# Altium PCB 8-8控制板.PcbDoc (part 5 of 5)
Units mm, origin at the board's own origin, x right, y up, seen from the top; angles counter-clockwise.
Board outline 201.71 x 160.33 mm, 2 copper layers (Top Layer, Bottom Layer); 240 components, 178 nets, 689 pads, 262 vias.
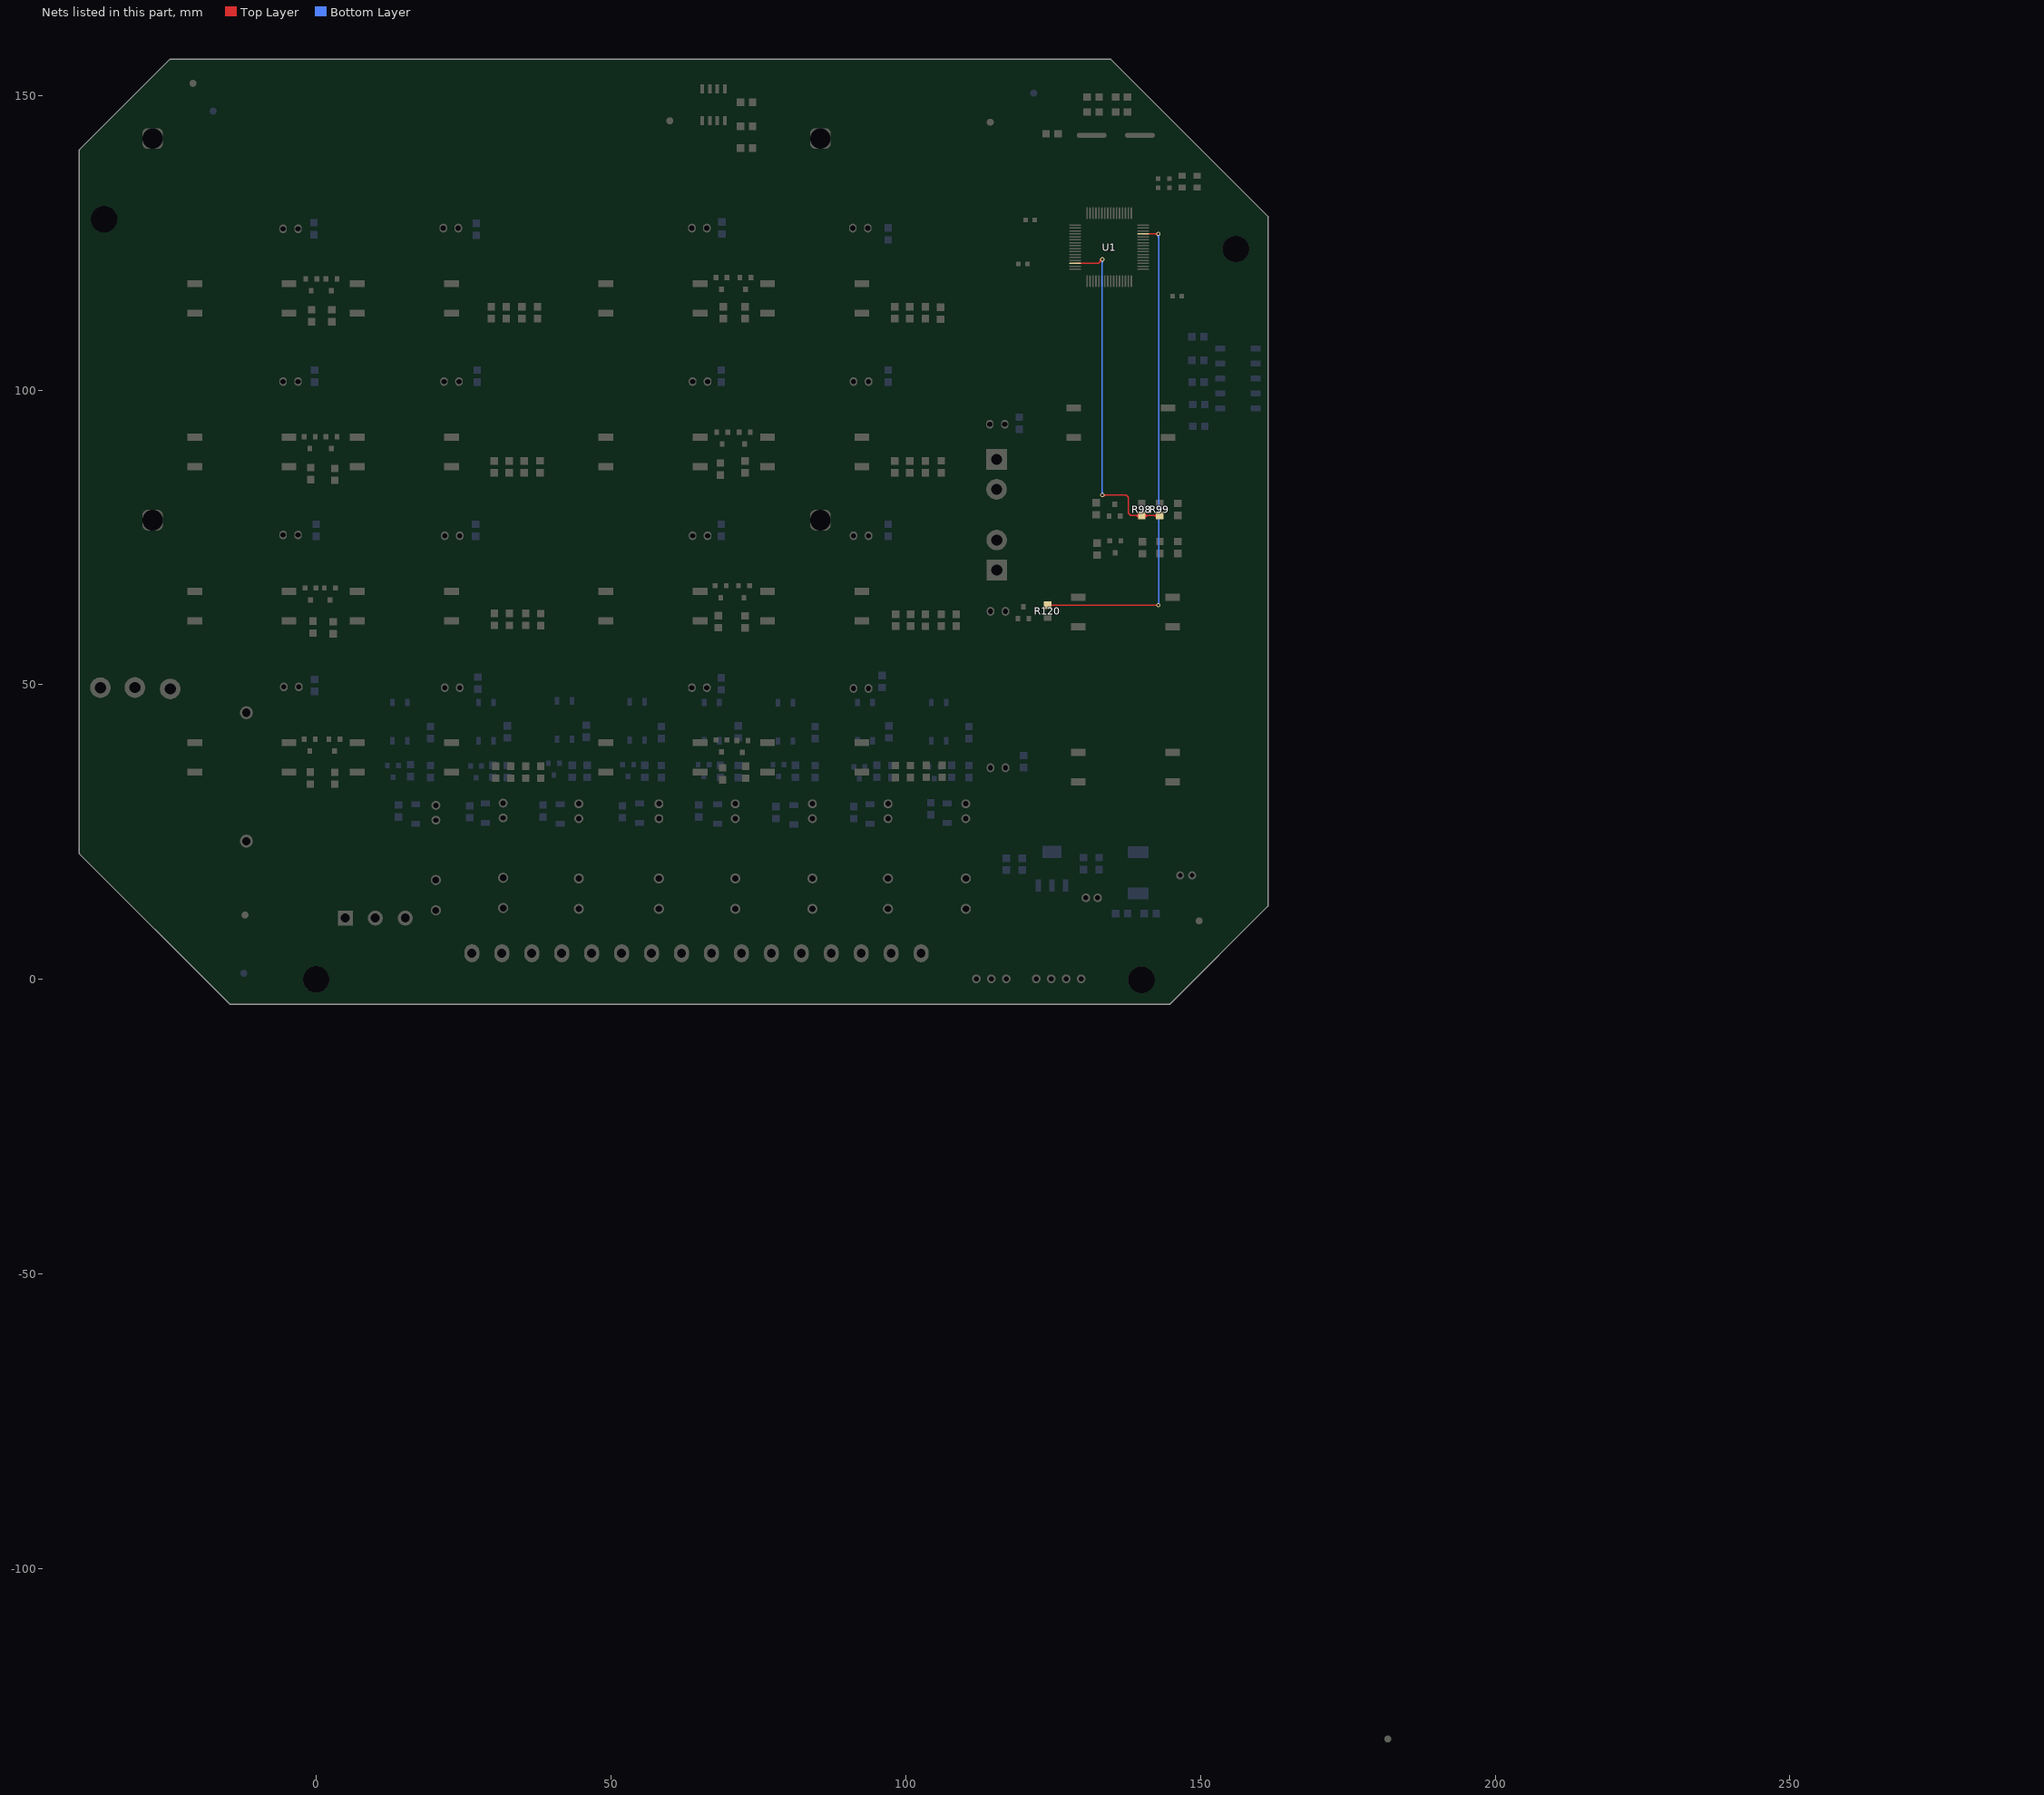
[diagram p5: the nets of this part, all layers, seen from the top]

## Via types
v1: diameter 0.7, hole 0.4, Top Layer to Bottom Layer, 242 vias
v2: diameter 0.7, hole 0.5, Top Layer to Bottom Layer, 18 vias
v3: diameter 1, hole 0.4, Top Layer to Bottom Layer, 2 vias

## Nets (pads, with @x,y where several pads share a name; then routed paths per layer and width w, separated by ;. In a path a pad name is that pad's centre, name@x,y a point inside that pad or via, vN(x,y) a via of type N, cw(c..) or ccw(c..) an arc to the next point about the centre after c; other vN are vias at no path point) (continued)
NetR98_2: R98.2 R99.2 U1.30 | length 71.2
  Top Layer w0.203: U1.30@128.753,121.498 132.674,121.498 v1(133.35,122.174) ; v1@133.102,122.174 cw(c132.502,122.174) 132.926,121.75 cw(c133.35,121.326) v1@133.35,121.926 ; v1(133.35,82.169) 137.414,82.169 137.795,81.788 137.795,79.121 138.201,78.715 R98.2@140.056,78.715 R99.2@143.104,78.715 ; v1@133.526,81.993 cw(c133.95,81.569) 133.95,82.169 cw(c133.95,82.769) v1@133.526,82.345 ; R98.2@139.678,78.337 ccw(c138.768,77.427) 138.768,78.715 ccw(c138.768,80.002) R98.2@139.678,79.092 ; R98.2@139.822,78.481 ccw(c139.258,77.917) 139.258,78.715 ccw(c139.258,79.512) R98.2@139.822,78.948 ; R98.2@140.289,78.481 cw(c140.853,77.917) 140.853,78.715 cw(c140.853,79.512) R98.2@140.289,78.948 ; R98.2@140.433,78.337 cw(c141.343,77.427) 141.343,78.715 cw(c141.343,80.002) R98.2@140.433,79.092 ; R99.2@142.726,78.337 ccw(c141.816,77.427) 141.816,78.715 ccw(c141.816,80.002) R99.2@142.726,79.092 ; R99.2@142.87,78.481 ccw(c142.306,77.917) 142.306,78.715 ccw(c142.306,79.512) R99.2@142.87,78.948
  Bottom Layer w0.203: v1@133.174,82.345 ccw(c132.75,82.769) 133.35,82.769 ccw(c133.95,82.769) v1@133.526,82.345 ; v1@133.174,121.998 cw(c132.75,121.574) 133.35,121.574 cw(c133.95,121.574) v1@133.526,121.998 ; v1(133.35,82.169) v1(133.35,122.174)
NetR120_1: R120.1 U1.61 | length 86.3
  Top Layer w0.203: R120.1@124.079,63.5 v1(142.875,63.5) ; U1.61@140.303,126.498 140.308,126.492 v1(142.875,126.492) ; v1@142.699,126.316 ccw(c142.275,125.892) 142.275,126.492 ccw(c142.275,127.092) v1@142.699,126.668
  Bottom Layer w0.203: v1@142.699,126.316 cw(c142.209,125.826) 142.903,125.826 ; v1(142.875,63.5) 142.903,63.528 142.903,126.464 v1(142.875,126.492) ; 142.903,125.959 cw(c143.408,125.959) v1@143.051,126.316
pads on no net: U1.57 U3.3 U3.5
copper on no net: | length 1
  Top Layer w1: 26.84,33.571 27.559,34.29

## Polygon pours and split planes (outlines as drawn)
GND on Top Layer "Bottom Layer-No Net" (solid, remove dead copper, pour order 3): 119.126,76.962 97.917,76.962 97.155,76.2 96.774,75.819 96.774,59.69 96.774,59.083 97.536,58.321 119.154,58.321 119.888,59.055 119.888,76.2 119.126,76.962
GND on Top Layer "Bottom Layer-No Net" (solid, remove dead copper, pour order 5): 113.411,77.089 148.082,77.089 149.733,75.438 149.987,75.184 149.987,60.833 147.967,58.813 119.646,58.813 112.51,58.813 110.744,60.579 110.744,74.295 113.538,77.089
GND on Bottom Layer "1" (solid, remove dead copper, pour order 13): 9.525,52.578 9.525,27.686 10.795,26.416 16.129,21.082 112.522,21.082 112.522,9.144 111.379,8.001 111.379,5.969 111.379,-3.18 113.03,-3.302 132.08,-3.302 134.636,-3.18 134.636,0.778 132.08,-1.778 142.875,9.017 151.257,17.399 157.353,18.288 157.353,78.486 157.353,79.883 156.464,81.915 91.694,81.915 91.694,56.007 89.789,54.102 88.646,52.959 9.525,52.959

## Keep-outs
Keep-Out Layer:
  lines w0.254: -24.741,155.985 134.72,155.985 ; 16.129,22.352 cw(c15.367,21.971) 15.748,21.209 cw(c15.367,21.844) 14.732,21.463 8.509,27.686 cw(c9.08,28.258) 8.509,28.829 cw(c9.081,28.13) 9.779,28.702 16.256,22.225 ; 17.018,5.715 ccw(c17.653,5.715) 17.653,5.08 ccw(c17.589,5.651) 18.161,5.715 18.161,21.717 ccw(c17.526,21.844) 17.653,22.479 ccw(c17.653,21.844) 17.018,21.844 17.018,5.715
  lines w0.305: -24.741,155.985 -40.057,140.669 -40.057,21.416 -14.607,-4.035 ; 134.72,155.985 161.341,129.365 ; 161.351,12.538 144.778,-4.035 ; 161.441,12.538 161.441,63.25 161.441,129.365 ; -14.607,-4.035 144.778,-4.035 ; -14.607,-4.035 144.778,-4.035

## Other copper
Top Layer:
  region net GND: 104.775,1.46 104.775,-1.968 104.648,-2.095 104.394,-1.841 28.956,-1.841 28.956,1.333 28.829,1.46
  region net +24V: 18.986,19.304 18.986,14.986 112.078,14.986 112.331,15.24 112.331,19.304
  region net +24V: 18.986,19.304 18.986,15.176 19.431,14.732 123.571,14.732 126.619,17.78 145.923,17.78 157.734,29.591 157.734,88.773 155.956,90.551 113.538,90.551 113.157,90.17 113.157,82.677 113.919,81.915 122.047,81.915 125.603,85.471 149.733,85.471 152.019,83.185 152.019,32.258 142.494,22.733 125.73,22.733 122.682,19.685 19.367,19.685
Bottom Layer:
  pour cut-out: 37.338,53.213 39.497,53.213 39.624,53.34 39.624,37.973 37.367,37.973 37.211,38.129 37.211,52.832
  region net NetFG_1: -31.877,31.496 -16.383,16.129 -2.286,16.129 6.011,15.668 7.366,15.367 8.255,12.827 8.382,11.43 8.636,10.033 11.811,10.033 11.811,11.938 11.557,13.97 10.922,15.494 10.668,16.764 8.636,19.177 5.715,19.177 -0.762,18.923 -15.006,18.923 -27.487,31.739 -28.067,36.957 -27.94,44.323 -28.067,48.133 -32.131,48.006 -32.131,31.877
  region net +24V: 18.86,19.304 18.986,19.177 111.316,19.177 111.316,15.621 111.061,15.875 18.86,15.875

## Silkscreen, mask and mechanical layers (free items; w line width, h text height)
Top Overlay:
  drawing of 1214 lines, arcs and shapes, not listed
  text "PCB工艺要求" at 223.123,144.94 h6.86
  text "21.55336 (mm)" at -39.169,142.031 h1.52 r45.48
  text "1.层数" at 209.025,138.59 h4.57
  text "：2层" at 252.332,138.59 h4.57
  text "2.单板外形层和挖空" at 209.025,130.97 h4.57
  text "：keepout层" at 252.332,130.97 h4.57
  text "：无" at 252.332,123.35 h4.57
  text "3.V割" at 209.025,123.278 h4.57
  text "4.尺寸和工艺标注" at 209.025,115.73 h4.57
  text "：GTO层" at 252.332,115.73 h4.57
  text "：FR-4" at 252.332,108.11 h4.57
  text "5.基材" at 209.025,108.056 h4.57
  text "：1.6+/-0.15mm" at 252.332,100.49 h4.57
  text "6.PCB厚" at 209.025,100.436 h4.57
  text "7.铜厚" at 209.025,92.87 h4.57
  text "：1安士" at 252.332,92.87 h4.57
  text "：沉金" at 252.332,85.25 h4.57
  text "8.表面处理" at 209.025,85.196 h4.57
  text "：绿" at 252.332,77.63 h4.57
  text "9.阻焊油" at 209.025,77.594 h4.57
  text "：白" at 252.332,70.01 h4.57
  text "10.丝印" at 209.025,69.903 h4.57
  text "：无" at 252.332,62.39 h4.57
  text "11.辅助边" at 209.025,62.354 h4.57
  text "12.拼板规格" at 209.025,54.77 h4.57
  text "：无" at 252.332,54.77 h4.57
  text "13.拼板数量" at 209.025,47.15 h4.57
  text ":" at 252.332,47.15 h4.57
  text "14.版本号" at 209.025,39.53 h4.57
  text ": Version 0.1" at 252.332,39.53 h4.57
  text "15.日期" at 209.025,31.91 h4.57
  text ": 2018/03/26" at 252.332,31.91 h4.57
  text "东莞毅比道自动化设备有限公司" at 213.471,22.893 h5.59
  text "35.65263 (mm)" at -35.082,14.178 h1.52 r314.57
  text "23.34867 (mm)" at 147.955,-3.937 h1.52 r45
Bottom Overlay:
  circle w0.1: c28.956,-2.54 r1.326
  circle w0.1: c39.116,-2.413 r1.326
  circle w0.1: c49.276,-2.54 r1.326
  circle w0.1: c59.436,-2.54 r1.326
  circle w0.1: c69.596,-2.54 r1.326
  circle w0.1: c79.883,-2.54 r1.326
  circle w0.1: c89.916,-2.54 r1.326
  circle w0.1: c100.203,-2.54 r1.326
  lines w0.254: 95.138,72.32 95.138,148.52
  lines w0.305: 26.416,2.921 26.416,1.016 31.623,1.016 31.623,2.794 ; 28.956,-1.016 28.956,1.016 ; 36.576,2.921 36.576,1.016 41.783,1.016 41.783,2.794 ; 39.116,-1.016 39.116,1.016 ; 46.736,2.794 46.736,0.889 51.943,0.889 51.943,2.667 ; 49.276,-1.143 49.276,0.889 ; 56.896,2.794 56.896,0.889 62.103,0.889 62.103,2.667 ; 59.436,-1.143 59.436,0.889 ; 67.056,2.794 67.056,0.889 72.263,0.889 72.263,2.667 ; 69.596,-1.143 69.596,0.889 ; 77.216,2.794 77.216,0.889 82.423,0.889 82.423,2.667 ; 79.756,-1.143 79.756,0.889 ; 87.376,2.794 87.376,0.889 92.583,0.889 92.583,2.667 ; 89.626,72.422 89.626,148.393 ; 89.916,-1.143 89.916,0.889 ; 95.138,72.32 -31.862,72.32 -31.862,148.52 95.138,148.52 ; 97.536,2.794 97.536,0.889 102.743,0.889 102.743,2.667 ; 100.076,-1.143 100.076,0.889
  text "PE" at 12.319,13.716 h5
  text "L" at 16.637,13.462 h5
  text "N" at 5.588,13.335 h5
  text "QCC" at -10.287,10.033 h6
  text "V1.0" at -16.891,7.239 h2
  text "8" at 29.718,-3.429 h1.5
  text "7" at 39.878,-3.429 h1.5
  text "6" at 50.038,-3.556 h1.5
  text "5" at 60.198,-3.556 h1.5
  text "4" at 70.358,-3.556 h1.5
  text "3" at 80.645,-3.556 h1.5
  text "2" at 90.678,-3.556 h1.5
  text "1" at 100.965,-3.556 h1.5
Mechanical 1:
  drawing of 122 lines, arcs and shapes, not listed
Mechanical 3:
  drawing of 105 lines, arcs and shapes, not listed
Mechanical 7:
Mechanical 20:
  drawing of 3244 lines, arcs and shapes, not listed

## Dimensions
-23.901,144.653 to -22.733,149.733 on Mechanical 7
90.246,79.273 to 92.202,85.217 on Mechanical 7
82.906,141.275 to 81.763,135.052 on Mechanical 7
-24.663,79.629 to -23.495,84.709 on Mechanical 7
-24.765,156.337 to 134.874,156.21 on Top Overlay
-40.386,140.716 to -40.259,21.336 on Top Overlay
144.907,-4.318 to -14.605,-4.445 on Top Overlay
161.671,12.573 to 161.671,129.413 on Top Overlay
-38.811,255.778 to -37.694,250.393 on Mechanical 7
-36.906,284.353 to -35.789,278.968 on Mechanical 7
11.633,25.146 to 10.516,30.531 on Mechanical 7
17.475,13.208 to 16.358,18.593 on Mechanical 7
134.72,155.985 to 144.778,-4.035 on Top Overlay
161.441,12.538 to -40.057,21.416 on Top Overlay

## Text inside footprints (layer, text, board x,y; h text height)
U1: Top Overlay "1" at 138.201,131.242 h0.51; Top Overlay "16" at 130.327,131.242 h0.51